# Altium PCB ZYBO_HDMI_Adapter.PcbDoc
Units mm, origin at the board's own origin, x right, y up, seen from the top; angles counter-clockwise.
Board outline 41.15 x 18.29 mm, 2 copper layers (Top Layer, Bottom Layer); 15 components, 15 nets, 74 pads, 0 vias.
Unrouted connection lines stored in the file: 1.
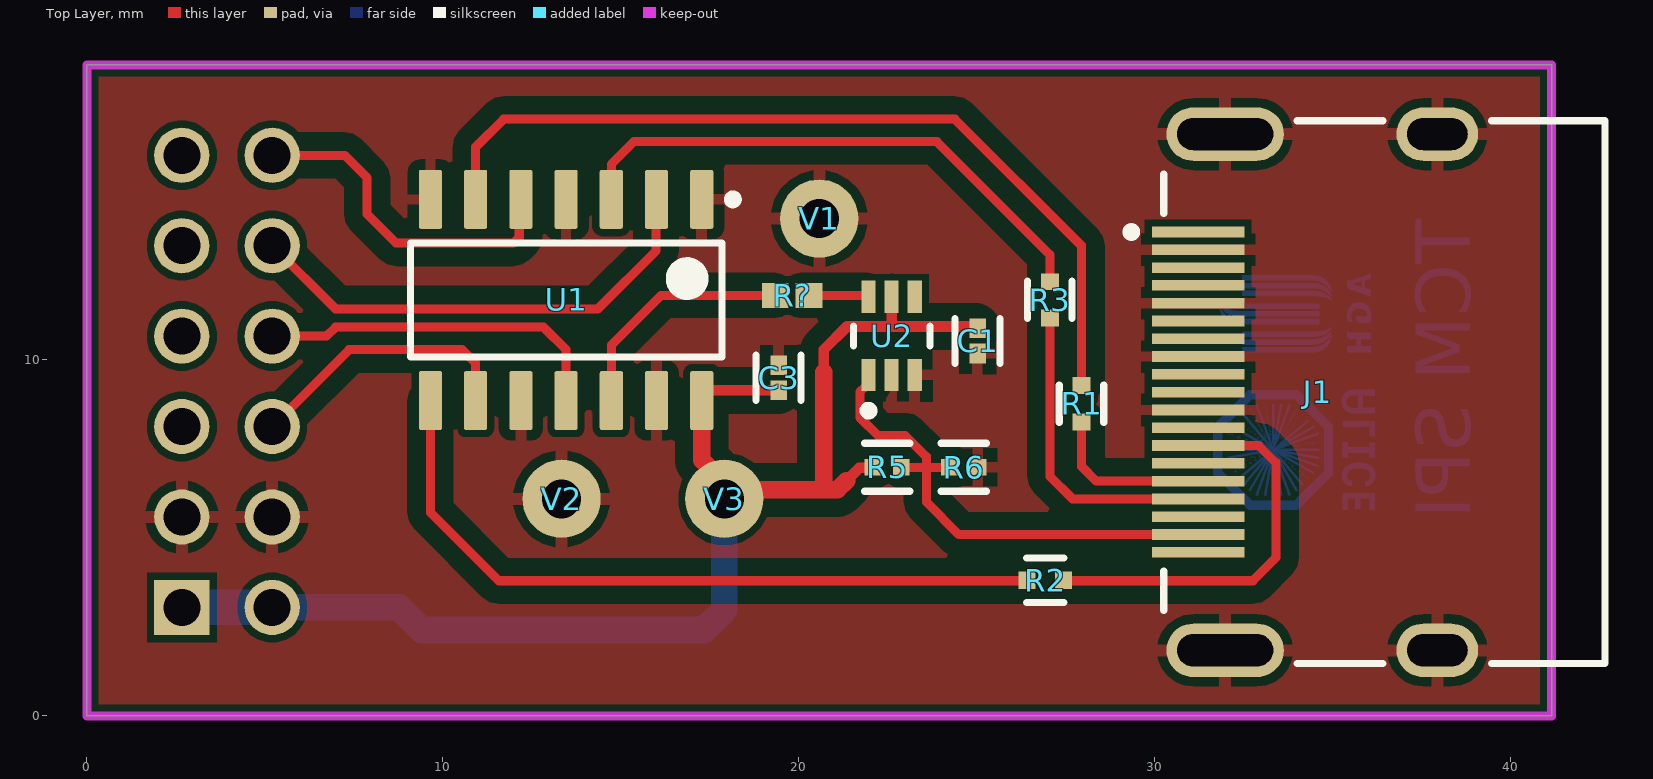
[diagram p0: Top Layer view]
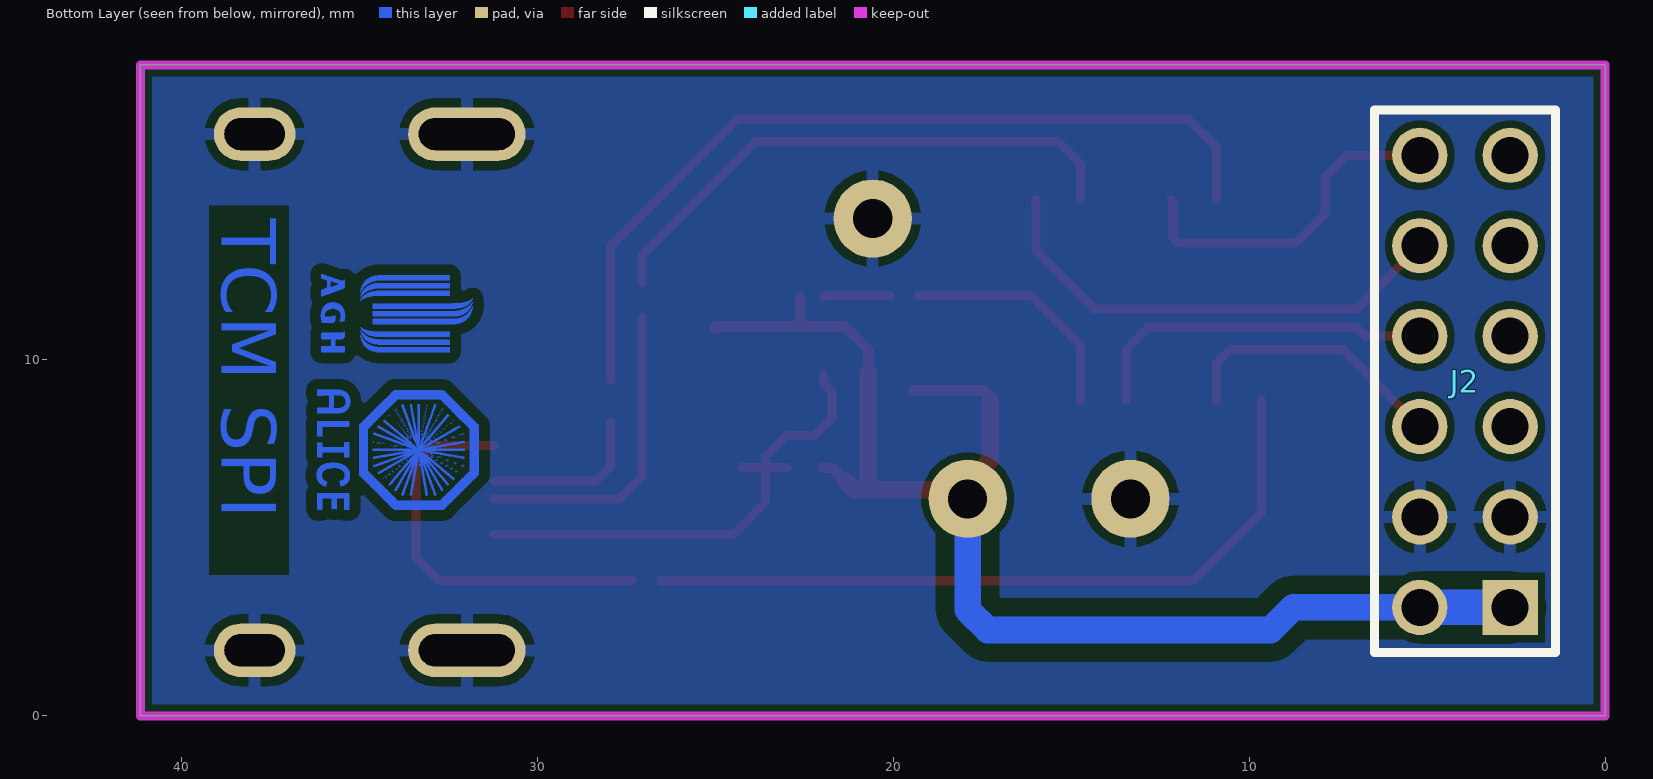
[diagram p1: Bottom Layer view, seen from below]
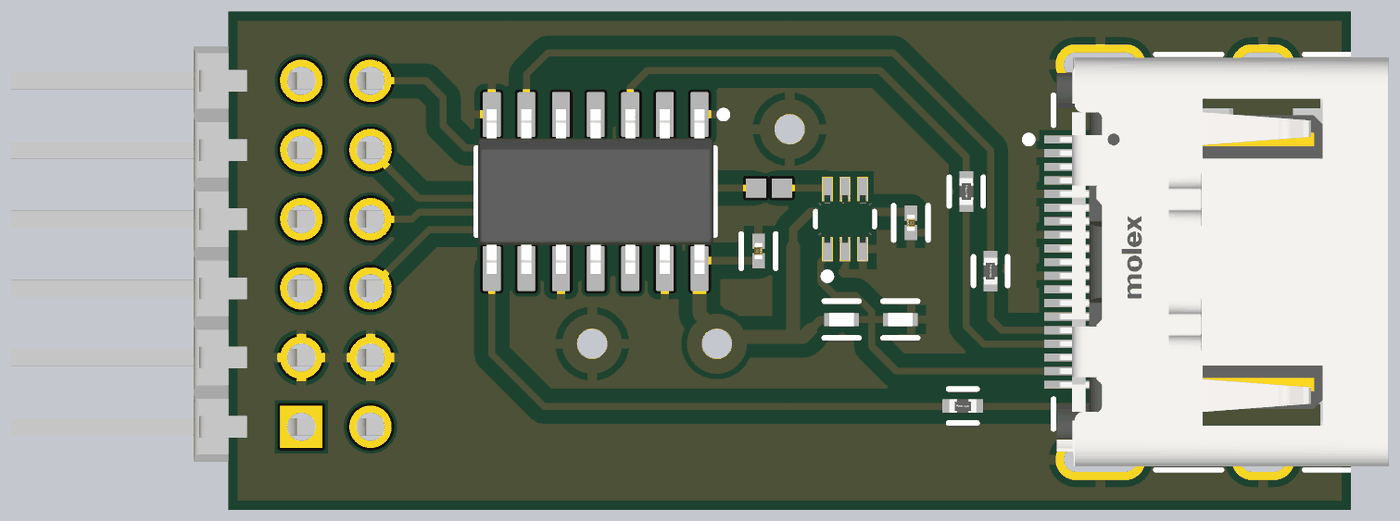
[diagram p2: 3D render of the assembled board from above, using the file's embedded part models]

## Layer stack, top to bottom
Top Solder: solder mask 0.0102, Solder Resist, Dk 3.5
Top Layer: signal copper 0.0356
Dielectric 1: dielectric 0.32, FR-4, Dk 4.8
Bottom Layer: signal copper 0.0356
Bottom Solder: solder mask 0.0102, Solder Resist, Dk 3.5

## Board outline
0,0 0,18.288 41.148,18.288 41.148,0

## Design rules (kind name [scope] priority, off if disabled: settings)
Clearance Keep_Out_Clearance [OnLayer('Keep-Out Layer')] p1: gap=0.2 ignorepadtopadclearanceinfootprint=FALSE
Clearance VCC_VIA_Clearance [InNet('3v3')] p2: gap=0.1 ignorepadtopadclearanceinfootprint=FALSE except(0.254: Arc-Fill Arc-Poly Arc-Region Track-Fill Track-Poly Track-Region; 0.3: SMDPad-Fill SMDPad-Poly SMDPad-Region THPad-Fill THPad-Poly THPad-Region Fill-Fill Fill-Poly Fill-Region Poly-Poly Poly-Region Region-Region; 0.35: Via-Fill Via-Poly Via-Region)
Clearance GND_VIA_Clearance [InNet('GND')] p3: gap=0.1 ignorepadtopadclearanceinfootprint=FALSE except(0.2: SMDPad-Fill SMDPad-Poly SMDPad-Region THPad-Fill THPad-Poly THPad-Region; 0.3: Fill-Fill Fill-Poly Fill-Region Poly-Poly Poly-Region Region-Region; 0.508: Arc-Fill Arc-Poly Arc-Region Track-Fill Track-Poly Track-Region)
Clearance [All] p4: gap=0.1 ignorepadtopadclearanceinfootprint=FALSE except(0.254: Arc-Fill Arc-Poly Arc-Region Track-Fill Track-Poly Track-Region SMDPad-Fill SMDPad-Poly SMDPad-Region THPad-Fill THPad-Poly THPad-Region Via-Fill Via-Poly Via-Region Fill-Fill Fill-Poly Fill-Region Poly-Poly Poly-Region Region-Region)
ComponentClearance [All] p1 off: gap=0.254 collisioncheckmode=3 verticalgap=0.254 showdistances=FALSE
MinimumSolderMaskSliver [All] p1: minsoldermaskwidth=0.1
PlaneConnect VCC_PLANE [InNet('3v3')] p1: pad.planeconnectstyle=Relief pad.reliefexpansion=0.508 pad.reliefentries=4 pad.reliefconductorwidth=0.3 pad.reliefairgap=0.254 via.planeconnectstyle=Relief via.reliefexpansion=0.508 via.reliefentries=4 via.reliefconductorwidth=0.254 via.reliefairgap=0.254
PlaneConnect GND_PLANE [InNet('GND')] p2: planeconnectstyle=Relief reliefexpansion=0.508 reliefentries=4 reliefconductorwidth=0.3 reliefairgap=0.254
PlaneConnect [All] p3: planeconnectstyle=Relief reliefexpansion=0.508 reliefentries=4 reliefconductorwidth=0.3 reliefairgap=0.254
PolygonConnect VCC_Polygon_Style [InNet('3v3')] p1: connectstyle=Relief reliefconductorwidth=0.35 reliefentries=4 polygonreliefangle="90 Angle" airgapwidth=0.254
PolygonConnect GND_Polygon_Style [InNet('GND')] p2: thpad.connectstyle=Relief thpad.reliefconductorwidth=0.35 thpad.reliefentries=4 thpad.polygonreliefangle="90 Angle" thpad.airgapwidth=0.254 smdpad.connectstyle=Relief smdpad.reliefconductorwidth=0.3 smdpad.reliefentries=4 smdpad.polygonreliefangle="90 Angle" smdpad.airgapwidth=0.3 via.connectstyle=Relief via.reliefconductorwidth=0.35 via.reliefentries=4 via.polygonreliefangle="90 Angle" via.airgapwidth=0.254
PolygonConnect [All] p3: connectstyle=Relief reliefconductorwidth=0.254 reliefentries=4 polygonreliefangle="90 Angle" airgapwidth=0.254
RoutingVias [All] p1: holewidth=0.711 width=1.27 viastyle="Through Hole" minholewidth=0.711 minwidth=1.27 maxholewidth=0.711 maxwidth=1.27
SolderMaskExpansion [All] p1: expansion=0.102 istentingtop=FALSE
SupplyNets "Schematic Supply Nets_3" [InNet('V_SYS')] p1: voltage=0.000
SupplyNets "Schematic Supply Nets_2" [InNet('3v3')] p2: voltage=0.000
SupplyNets "Schematic Supply Nets_1" [InNet('GND')] p3: voltage=0.000
Width [All] p1: maxlimit=1 minlimit=0.1 preferedwidth=0.254
27 further rules are at their usual default settings.

## Components (designator, comment, footprint, x,y, rotation, side; value= is the part's Value field where it differs from the comment)
C1 "GRM033Z71C104KE14J" FP-GRM033-0_03-IPC_A 25.019,10.535 r270 top value=100nF
C3 "GRM033Z71C104KE14J" FP-GRM033-0_03-IPC_A 19.431,9.498 r90 top value=100nF
J1 "208658-1051" FP-208658-1051-MFG 36.449,9.093 r90 top
J2 "2X6_Male_90_Angle_Conn" 2X6_Male_90_Angle_Conn 3.937,9.398 r0 bottom
R1 "ERJ-2RKF30R0X" FP-ERJ2RK-MFG 27.94,8.763 r270 top
R2 "ERJ-2RKF30R0X" FP-ERJ2RK-MFG 26.924,3.81 r0 top
R3 "ERJ-2RKF30R0X" FP-ERJ2RK-MFG 27.051,11.684 r270 top
R5 "CRCW0402200RFKED" FP-CRCW0402-e3-IPC_C 22.479,6.985 r180 top
R6 "CRCW0402200RFKED" FP-CRCW0402-e3-IPC_C 24.634,6.985 r180 top
R? "CR0402-FX-22R0GLF" RESC1005X40X25ML10T10 19.812,11.811 r180 top value=22R
U1 "SN74LVT125D" D0014A_M 13.462,11.684 r270 top
U2 "SN74LVC2G14IDCKRQ1" FP-DCK0006A-MFG 22.606,10.674 r90 top
V1 "Copper_Via_09" Copper_Via_09 20.574,13.97 r0 top
V2 "Copper_Via_09" Copper_Via_09 13.335,6.096 r0 top
V3 "Copper_Via_09" Copper_Via_09 17.907,6.096 r0 top

## Footprints (in the part's own frame and the unit in brackets; to place one, negate y for a bottom-side part, rotate by r counter-clockwise, add the part's x,y. Pads: shape width x height; smd on the part's side, far side on the other; paste and mask are expansions set on the pad)
2X6_Male_90_Angle_Conn [mm] "2X6_Male_90_Angle_Conn"
  rect 1.55x1.55 hole 1.04 mask+0.102: 1(-1.27,6.35)
  round 1.55 hole 1.04 mask+0.102: 2(-1.27,3.81) 3(-1.27,1.27) 4(-1.27,-1.27) 5(-1.27,-3.81) 6(-1.27,-6.35) 7(1.27,-6.35) 8(1.27,-3.81) 9(1.27,-1.27) 10(1.27,1.27) 11(1.27,3.81) 12(1.27,6.35)
  silkscreen extent -2.54,-7.62 2.54,7.62, body extent -11.91,-7.62 1.75,7.62, height 5.04
Copper_Via_09 [mm] "Copper Via, 0.9mm hole"
  round 2.2 / inner round 1.524 / far side round 2.2 hole 1.1 mask+0.102: 1(0,0)
D0014A_M [mm] "SOIC, 14-Leads, Body 8.75x4mm, Pitch 1.27mm, IPC Low Density"
  rrect15% 1.65x0.65 smd: 1(-2.825,3.81) 2(-2.825,2.54) 3(-2.825,1.27) 4(-2.825,0) 5(-2.825,-1.27) 6(-2.825,-2.54) 7(-2.825,-3.81) 8(2.825,-3.81) 9(2.825,-2.54) 10(2.825,-1.27) 11(2.825,0) 12(2.825,1.27) 13(2.825,2.54) 14(2.825,3.81)
  silkscreen extent -2.95,-4.38 1.6,4.81, body extent -3.02,-4.32 3.02,4.32, height 1.59
FP-208658-1051-MFG [mm]
  rect 0.3x2.6 smd paste+0 mask+0: 1(4.5,5.235) 2(4,5.235) 3(3.5,5.235) 4(3,5.235) 5(2.5,5.235) 6(2,5.235) 7(1.5,5.235) 8(1,5.235) 9(0.5,5.235) 10(0,5.235) 11(-0.5,5.235) 12(-1,5.235) 13(-1.5,5.235) 14(-2,5.235) 15(-2.5,5.235) 16(-3,5.235) 17(-3.5,5.235) 18(-4,5.235) 19(-4.5,5.235)
  rrect100% 1.5x3.3 hole 2.7 slot 0.9 at 0 deg paste-2539.97 mask+0: 20(-7.25,4.475) 21(7.25,4.475)
  rrect100% 1.5x2.3 hole 1.7 slot 0.9 at 0 deg paste-2539.97 mask+0: 22(-7.25,-1.485) 23(7.25,-1.485)
  silkscreen extent -7.63,-6.2 7.63,7.23, body extent -8.1,-6.3 8.1,6.64, height 0.25
FP-CRCW0402-e3-IPC_C [mm]
  rect 0.468x0.472 smd paste+0 mask+0: 1(-0.402,0) 2(0.402,0)
  silkscreen extent -0.64,-0.67 0.64,0.67, body extent -0.74,-0.38 0.74,0.38, height 0.25
FP-DCK0006A-MFG [mm]
  rect 0.9x0.4 smd paste-1000 mask+0: 1(-1.1,0.65) 2(-1.1,0) 3(-1.1,-0.65) 4(1.1,-0.65) 5(1.1,0) 6(1.1,0.65)
  silkscreen extent -2.22,-1.07 0.27,1.07, body extent -1.65,-1.33 1.65,1.33, height 0.25
FP-ERJ2RK-MFG [mm]
  rect 0.475x0.5 smd paste+0 mask+0: 1(-0.513,0) 2(0.513,0)
  silkscreen extent -0.53,-0.63 0.53,0.63, body extent -0.85,-0.38 0.85,0.38, height 0.25
FP-GRM033-0_03-IPC_A [mm]
  rect 0.554x0.463 smd paste+0 mask+0: 1(-0.354,0) 2(0.354,0)
  silkscreen extent -0.63,-0.63 0.63,0.63, body extent -0.83,-0.43 0.83,0.43, height 0.25
RESC1005X40X25ML10T10 [mm] "Chip Resistor, 2-Leads, Body 1.00x0.50mm, IPC Low Density"
  rect 0.75x0.7 smd: 1(-0.475,0) 2(0.475,0)
  body extent -0.55,-0.3 0.55,0.3, height 0.4

## Part data
C1 C3: library part CMP-06035-043202-1, "Chip Multilayer Ceramic Capacitors for General Purpose, 0201, 0.10uF, X7R, 15%, 10%, 16V"
J1: library part CMP-04768-000005-1, "CONN RCPT HDMI V2.1 19POS SMD RA"
J2: "2x16 right angle connector"
R1 R2 R3: library part CMP-2002-00857-2, Case Code (Imperial)=0402, Case Code (Metric)=1005, Max Operating Temperature=155°C, Max Power Dissipation=100mW, Min Operating Temperature=-55°C, Resistance=30Ω, Temperature Coefficient=100ppm/°C, Tolerance=1%, Voltage Rating=50V, Case/Package=0402, Composition="Thick Film", Contact Plating=Tin, Depth=500µm, Features="Automotive AEC-Q200", Height=350µm, Lead Free="Lead Free", Length=1mm, Lifecycle Status=Production, Military Standard=Not, Mount="Surface Mount", NexarPartId=42824405, Number of Terminations=2, Packaging="Cut Tape", Power Rating=100mW, REACH SVHC=Yes, RoHS=Compliant, Schedule B="8533210045, 8533210045", Termination=SMD/SMT, Voltage Rating (DC)=50V, Width=508µm
R5 R6: library part CMP-1011-00429-3, "RES Thick Film, 200Ω, 1%, 0.063W, 100ppm/°C, 0402", Case Code (Imperial)=0402, Case Code (Metric)=1005, Max Operating Temperature=155°C, Max Power Dissipation=63mW, Min Operating Temperature=-55°C, Package Quantity=10, Resistance=200R, Temperature Coefficient=100ppm/°C, Tolerance=1%, Voltage Rating=50V, Case/Package=0402, Composition="Thick Film", Contact Plating=Tin, Depth=0.5mm, Features="Automotive AEC-Q200", Height=0.35mm, Lead Free="Lead Free", Length=1mm, Military Standard=Not, Mount="Surface Mount", Number of Pins=2, Number of Terminations=2, Packaging="Tape and Reel", Power Rating=63mW, Radiation Hardening=No, Termination=SMD/SMT, Voltage Rating (DC)=50V, Weight=2.3E-05oz, Width=0.5mm
R?: library part CMP-2002-04945-1, Manufacturer=Bourns, Part Number=CR0402-FX-22R0GLF
U1: library part CMP-0440-00024-3, "3.3-V ABT Quadruple Bus Buffers With 3-State Outputs, D0014A, TUBE", F @ Nom Voltage(Max)(Mhz)=100, Generic Part Number=SN74LVT125, ICC @ Nom Voltage(Max)(mA)=0.007, Manufacturer="Texas Instruments", Operating Temperature Range(C)="-40 to 85", Rating=Catalog, tpd @ Nom Voltage(Max)(ns)=4, Voltage(Nom)(V)=3.3, Bits(#)=4, Code_JEDEC=MS-012, DatasheetVersion=SCBS133F, Input Type=TTL/CMOS, Output Type=LVTTL, PackageReference=D0014A, PackageVersion=http://www.ti.com/lit/ml/mpds177g/mpds177g.pdf, VCC(Max)(V)=3.6, VCC(Min)(V)=2.7
U2: library part CMP-0859-00447-5, "IC INVERT SCHMITT 2CH 2IN SC70-6", Case/Package=SC, High Level Output Current=-32mA, Low Level Output Current=32mA, Max Operating Temperature=85°C, Max Supply Voltage=5.5V, Min Operating Temperature=-40°C, Min Supply Voltage=1.65V, Package Quantity=3000, Quiescent Current=10uA, Contact Plating=Gold, Height=0.9mm, Input Type="SCHMITT TRIGGER", Lead Free="Lead Free", Length=2mm, Logic Function=Buffer, Max Output Current=32mA, Mount="Surface Mount", Number of Bits=2, Number of Circuits=2, Number of Elements=2, Number of Gates=2, Number of Inputs=1, Number of Pins=6, Output Current=32mA, Packaging="Tape and Reel", Propagation Delay=9.5ns, Radiation Hardening=No, REACH SVHC="No SVHC", RoHS Compliant=Yes, Schmitt Trigger Input=Yes, Series=74LVC, Technology=CMOS, Termination=SMD/SMT, Turn-On Delay Time=4.3ns, Width=1.25mm
V1 V2 V3: "Copper Via 0.9mm hole"

## Nets (pads, with @x,y where several pads share a name; then routed paths per layer and width w, separated by ;. In a path a pad name is that pad's centre, name@x,y a point inside that pad or via, vN(x,y) a via of type N, cw(c..) or ccw(c..) an arc to the next point about the centre after c; other vN are vias at no path point)
GND: C1.2 C3.2 J1.2 J1.5 J1.8 J1.11 J1.17 J1.20 J1.21 J1.22 J1.23 J2.2 J2.11 R6.1 U1.1 U1.4 U1.7 U1.10 U1.13 U2.2 U2.3 V1.1 V2.1
NetR1_1: R1.1 U1.6 | length 24.1
  Top Layer w0.254: U1.6 10.922,15.98 11.706,16.764 24.384,16.764 27.94,13.208 R1.1@27.94,9.444
NetR2_1: R2.1 U1.8 | length 20.8
  Top Layer w0.254: U1.8 9.652,5.715 11.571,3.796 R2.1@26.518,3.796
NetR3_1: R3.1 U1.3 | length 15.6
  Top Layer w0.254: U1.3 14.732,15.494 15.367,16.129 23.876,16.129 27.051,12.954 R3.1@27.051,12.192
NetR?_1: R?.1 U2.6 | length 1.9
  Top Layer w0.254: R?.1@20.085,11.811 21.913,11.811 U2.6@21.956,11.768
NetR?_2: R?.2 U1.12 | length 6.7
  Top Layer w0.254: U1.12 14.732,10.414 16.129,11.811 R?.2@19.285,11.811
SPI_CLK: J1.15 R1.2 | length 4.7
  Top Layer w0.254: R1.2 27.94,7.01 28.357,6.593 J1.15
SPI_MISO: J1.18 R5.1 R6.2 U2.1 | length 14
  Top Layer w0.254: U2.1@21.866,9.251 21.717,9.102 21.717,8.382 22.225,7.874 22.987,7.874 23.581,7.28 23.581,6.979 ; U2.1@21.956,9.324 U2.1 ; R5.1@22.978,6.973 22.985,6.979 23.581,6.979 ; R6.2 24.225,6.979 23.581,6.979 ; J1.18 24.498,5.093 23.581,6.01 23.581,6.979
SPI_MOSI: J1.16 R3.2 | length 8.9
  Top Layer w0.254: R3.2 27.051,6.731 27.689,6.093 J1.16
SPI_SEL: J1.13 R2.2 | length 11.4
  Top Layer w0.254: R2.2@27.33,3.796 32.752,3.796 33.401,4.445 33.401,7.112 32.92,7.593 J1.13 J1.13@31.237,7.57
VCC: C1.1 C3.1 J2.1 J2.12 R5.2 U1.14 U2.5 V3.1 | length 37.9
  Top Layer w0.3: U1.14 17.272,8.969 17.447,9.144 C3.1 ; 20.701,9.652 20.701,10.287 21.353,10.939 24.975,10.939 C1.1@25.019,10.895 ; 21.336,6.604 21.698,6.966 R5.2@21.971,6.966 ; 22.606,11.071 U2.5@22.606,11.768
  Top Layer w0.5: U1.14 17.272,7.191 17.907,6.556 17.907,6.295 V3.1 18.161,6.35 20.701,6.35 ; 20.701,9.652 20.701,6.35 ; 21.336,6.604 21.082,6.35 20.701,6.35
  Bottom Layer w0.75: J2.12 8.763,3.048 9.398,2.413 17.341,2.413 17.907,2.979 V3.1
  Bottom Layer w1: J2.1 J2.12
ZYBO_SPI_CLK: J2.7 U1.5 | length 9.7
  Top Layer w0.254: J2.7 7.239,15.748 7.874,15.113 7.874,14.097 8.689,13.282 11.976,13.282 12.146,13.452 12.146,14.463 U1.5
ZYBO_SPI_MISO: J2.9 U1.11 | length 10.1
  Top Layer w0.254: J2.9 6.731,10.668 6.985,10.922 12.827,10.922 13.462,10.287 U1.11
ZYBO_SPI_MOSI: J2.8 U1.2 | length 13.6
  Top Layer w0.254: J2.8 6.985,11.43 14.351,11.43 15.992,13.071 15.992,14.499 U1.2
ZYBO_SPI_SEL: J2.10 U1.9 | length 7.8
  Top Layer w0.254: J2.10 7.366,10.287 10.541,10.287 10.912,9.916 10.912,8.869 U1.9
pads on no net: J1.1 J1.3 J1.4 J1.6 J1.7 J1.9 J1.10 J1.12 J1.14 J1.19 J2.3 J2.4 J2.5 J2.6 U2.4

## Polygon pours and split planes (outlines as drawn)
GND on Bottom Layer "GND_L02_P001" (solid, pour order 1): 0,18.669 0,0 41.148,0 41.148,18.669
GND on Top Layer "GND_L01_P000" (solid, pour order 0): 0,18.288 0,0 41.148,0 41.148,18.288

## Keep-outs
Keep-Out Layer:
  the board outline again, w0.254

## Other copper
Bottom Layer:
  drawing of 723 lines, arcs and shapes, not listed
  text "TCM SPI" at 38.862,13.97 h1.52 r90